# Altium PCB unextended_ISO.PcbDoc (part 2 of 2)
Units mm, origin at the board's own origin, x right, y up, seen from the top; angles counter-clockwise.
Board outline 284.7 x 94.2 mm, 2 copper layers (Component Side, Bottom Layer), stack 1.571 mm thick; 179 components, 118 nets, 505 pads, 269 vias.
Unrouted connection lines stored in the file: 6.
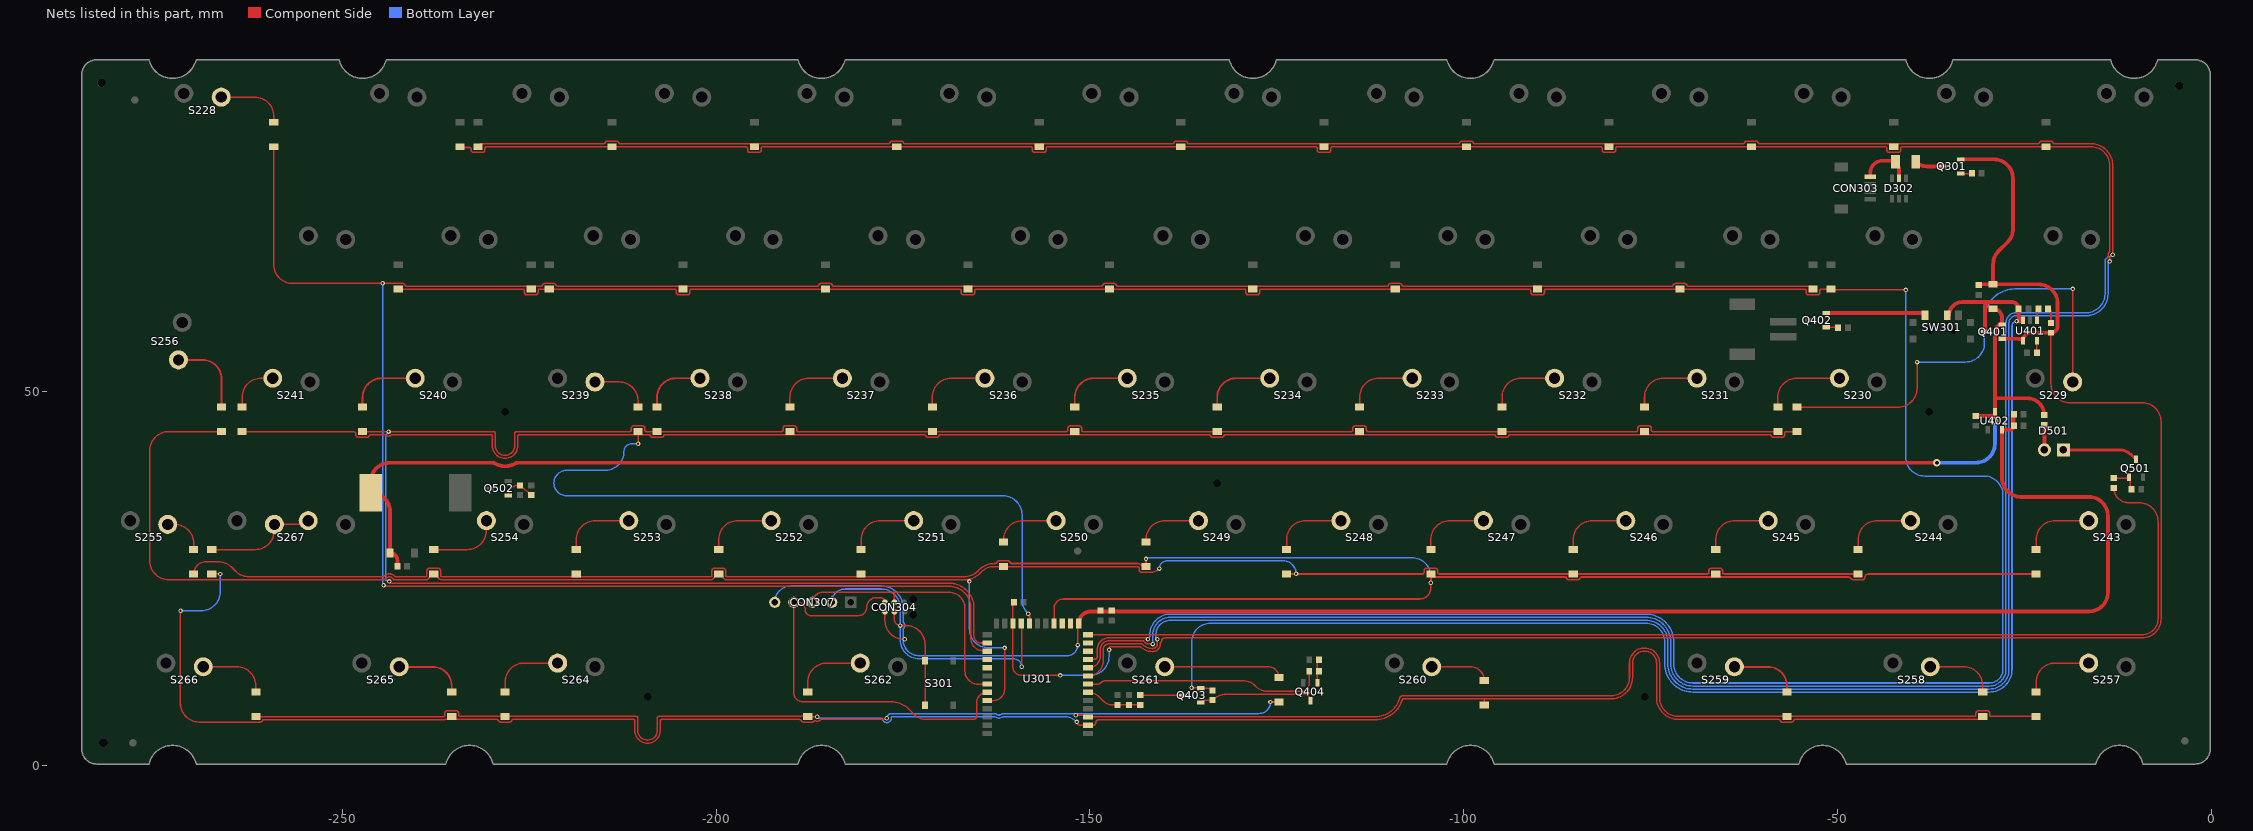
[diagram p2: the nets of this part, all layers, seen from the top]

## Via types
v1: diameter 0.6, hole 0.3, Component Side to Bottom Layer, tented both sides, 259 vias
v2: diameter 1, hole 0.5, Component Side to Bottom Layer, tented both sides, 10 vias

## Nets (pads, with @x,y where several pads share a name; then routed paths per layer and width w, separated by ;. In a path a pad name is that pad's centre, name@x,y a point inside that pad or via, vN(x,y) a via of type N, cw(c..) or ccw(c..) an arc to the next point about the centre after c; other vN are vias at no path point) (continued)
NetD228_1: D228.1 S228.2 | length 9.3
  Component Side w0.203: S228.2@-266.192,89.415 -261.707,89.415 cw(c-261.707,86.875) -259.167,86.875 D228.1@-259.167,86.05
NetD229_1: D229.1 S229.1 | length 61.2
  Component Side w0.203: D229.1@-55.447,47.95 -41.91,47.95 ccw(c-41.91,50.49) -39.37,50.49 v1(-39.37,53.975) ; S229.1@-18.556,51.315 -18.549,51.322 -18.549,63.747 v1(-18.542,63.754)
  Bottom Layer w0.203: v1(-39.37,53.975) -32.893,53.975 ccw(c-32.893,56.515) -30.353,56.515 -30.353,59.69 cw(c-26.289,59.69) -26.289,63.754 v1(-18.542,63.754)
NetD230_1: D230.1 S230.1 | length 11
  Component Side w0.203: D230.1@-57.987,47.95 -57.987,49.275 cw(c-55.447,49.275) -55.447,51.815 S230.1@-49.75,51.815
NetD231_1: D231.1 S231.1 | length 9.8
  Component Side w0.203: D231.1@-75.825,47.95 -75.825,49.275 cw(c-73.285,49.275) -73.285,51.815 S231.1@-68.8,51.815
NetD232_1: D232.1 S232.1 | length 9.8
  Component Side w0.203: D232.1@-94.875,47.95 -94.875,49.275 cw(c-92.335,49.275) -92.335,51.815 S232.1@-87.85,51.815
NetD233_1: D233.1 S233.1 | length 9.8
  Component Side w0.203: D233.1@-113.925,47.95 -113.925,49.275 cw(c-111.385,49.275) -111.385,51.815 S233.1@-106.9,51.815
NetD234_1: D234.1 S234.1 | length 9.8
  Component Side w0.254: D234.1@-132.975,47.95 -132.975,49.275 cw(c-130.435,49.275) -130.435,51.815 S234.1@-125.95,51.815
NetD235_1: D235.1 S235.1 | length 9.8
  Component Side w0.254: D235.1@-152.025,47.95 -152.025,49.275 cw(c-149.485,49.275) -149.485,51.815 S235.1@-145,51.815
NetD236_1: D236.1 S236.1 | length 9.8
  Component Side w0.203: D236.1@-171.075,47.95 -171.075,49.275 cw(c-168.535,49.275) -168.535,51.815 S236.1@-164.05,51.815
NetD237_1: D237.1 S237.1 | length 9.8
  Component Side w0.203: D237.1@-190.125,47.95 -190.125,49.275 cw(c-187.585,49.275) -187.585,51.815 S237.1@-183.1,51.815
NetD238_1: D238.1 S238.1 | length 8.5
  Component Side w0.254: D238.1@-207.899,47.95 -207.899,49.275 cw(c-205.359,49.275) -205.359,51.815 S238.1@-202.15,51.815
NetD239_1: D239.1 S239.1 | length 8
  Component Side w0.203: S239.1@-216.2,51.315 -212.979,51.315 cw(c-212.979,48.775) -210.439,48.775 D239.1@-210.439,47.95
NetD240_1: D240.1 S240.1 | length 9.8
  Component Side w0.254: D240.1@-247.275,47.95 -247.275,49.275 cw(c-244.735,49.275) -244.735,51.815 S240.1@-240.25,51.815
NetD241_1: D241.1 S241.1 | length 6.9
  Component Side w0.203: D241.1@-263.398,47.95 -263.398,49.275 cw(c-260.858,49.275) -260.858,51.815 S241.1@-259.3,51.815
NetD243_1: D243.1 S243.1 | length 9.8
  Component Side w0.203: D243.1@-23.437,28.9 -23.437,30.225 cw(c-20.897,30.225) -20.897,32.765 S243.1@-16.412,32.765
NetD244_1: D244.1 S244.1 | length 9.8
  Component Side w0.203: D244.1@-47.25,28.9 -47.25,30.225 cw(c-44.71,30.225) -44.71,32.765 S244.1@-40.225,32.765
NetD245_1: D245.1 S245.1 | length 9.8
  Component Side w0.203: D245.1@-66.3,28.9 -66.3,30.225 cw(c-63.76,30.225) -63.76,32.765 S245.1@-59.275,32.765
NetD246_1: D246.1 S246.1 | length 9.8
  Component Side w0.203: D246.1@-85.35,28.9 -85.35,30.225 cw(c-82.81,30.225) -82.81,32.765 S246.1@-78.325,32.765
NetD247_1: D247.1 S247.1 | length 9.8
  Component Side w0.203: D247.1@-104.4,28.9 -104.4,30.225 cw(c-101.86,30.225) -101.86,32.765 S247.1@-97.375,32.765
NetD248_1: D248.1 S248.1 | length 10
  Component Side w0.203: D248.1@-123.698,28.9 -123.698,30.225 cw(c-121.158,30.225) -121.158,32.765 S248.1@-116.425,32.765
NetD249_1: D249.1 S249.1 | length 8.8
  Component Side w0.203: D249.1@-142.5,29.9 -142.5,30.225 cw(c-139.96,30.225) -139.96,32.765 S249.1@-135.475,32.765
NetD250_1: D250.1 S250.1 | length 9.2
  Component Side w0.203: D250.1@-161.55,29.508 -161.55,30.225 cw(c-159.01,30.225) -159.01,32.765 S250.1@-154.525,32.765
NetD251_1: D251.1 S251.1 | length 9.8
  Component Side w0.203: D251.1@-180.6,28.9 -180.6,30.225 cw(c-178.06,30.225) -178.06,32.765 S251.1@-173.575,32.765
NetD252_1: D252.1 S252.1 | length 9.8
  Component Side w0.203: D252.1@-199.649,28.9 -199.649,30.225 cw(c-197.109,30.225) -197.109,32.765 S252.1@-192.624,32.765
NetD253_1: D253.1 S253.1 | length 9.8
  Component Side w0.203: D253.1@-218.7,28.9 -218.7,30.225 cw(c-216.16,30.225) -216.16,32.765 S253.1@-211.675,32.765
NetD254_1: D254.1 S254.1 | length 9.8
  Component Side w0.203: D254.1@-237.768,28.9 -233.265,28.9 ccw(c-233.265,31.44) -230.725,31.44 S254.1@-230.725,32.765
NetD255_1: D255.1 S255.1 | length 5.7
  Component Side w0.203: S255.1@-273.35,32.265 -272.415,32.265 cw(c-272.415,29.725) -269.875,29.725 D255.1@-269.875,28.9
NetD256_1: D256.1 S256.1 | length 11
  Component Side w0.254: S256.1@-271.91,54.272 -268.694,54.272 cw(c-268.694,51.732) -267.454,53.949 cw(c-268.694,51.732) -266.154,51.732 D256.1@-266.154,47.95
NetD257_1: D257.1 S257.1 | length 9.8
  Component Side w0.203: D257.1@-23.437,9.85 -23.437,11.175 cw(c-20.897,11.175) -20.897,13.715 S257.1@-16.412,13.715
NetD258_1: D258.1 S258.1 | length 9.3
  Component Side w0.203: S258.1@-37.6,13.215 -33.115,13.215 cw(c-33.115,10.675) -30.575,10.675 D258.1@-30.575,9.85
NetD259_1: D259.1 S259.1 | length 9.3
  Component Side w0.254: S259.1@-63.799,13.215 -59.314,13.215 cw(c-59.314,10.675) -56.774,10.675 D259.1@-56.774,9.85
NetD260_1: D260.1 S260.1 | length 8.1
  Component Side w0.203: S260.1@-104.28,13.215 -99.095,13.215 cw(c-99.095,11.375) D260.1@-97.255,11.375
NetD261_1: D261.1 S261.2 | length 16.1
  Component Side w0.203: S261.2@-139.999,13.215 -126.134,13.215 cw(c-126.134,11.795) D261.1@-124.714,11.795
NetD262_1: D262.1 S262.1 | length 9.8
  Component Side w0.203: D262.1@-187.743,9.85 -187.743,11.175 cw(c-185.203,11.175) -185.203,13.715 S262.1@-180.718,13.715
NetD264_1: D264.1 S264.2 | length 9.8
  Component Side w0.203: D264.1@-228.224,9.85 -228.224,11.175 cw(c-225.684,11.175) -225.684,13.715 S264.2@-221.199,13.715
NetD265_1: D265.1 S265.1 | length 9.3
  Component Side w0.254: S265.1@-242.388,13.215 -237.903,13.215 cw(c-237.903,10.675) -235.363,10.675 D265.1@-235.363,9.85
NetD266_1: D266.1 S266.1 | length 9.3
  Component Side w0.203: S266.1@-268.587,13.215 -264.102,13.215 cw(c-264.102,10.675) -261.562,10.675 D266.1@-261.562,9.85
NetD267_1: D267.1 S267.2 | length 15.5
  Component Side w0.203: D267.1@-267.462,28.9 -261.62,28.9 ccw(c-261.62,31.44) -259.08,31.44 S267.2@-259.08,32.265 -255.055,32.265 ccw(c-255.055,32.765) S267.2@-254.555,32.765
NetD401_2: D401.2 R401.2 | length 2.1
  Component Side w0.254: R401.2@-21.824,61.087 cw(c-21.824,60.721) -21.458,60.721 D401.2@-21.458,59.197
NetD501_1: D501.1 R501.1 | length 3.4
  Component Side w0.5: R501.1@-22.352,45.593 cw(c-22.352,45.567) -22.326,45.567 D501.1@-22.326,42.235
NetD501_2: D501.2 Q501.3 | length 10.1
  Component Side w0.4: D501.2@-19.786,42.235 -12.408,42.235 cw(c-12.408,39.695) -10.612,41.491 Q501.3@-10.093,40.972
NetF301_1: F301.1 Q301.3 | length 3.8
  Component Side w0.5: F301.1@-39.544,80.772 ccw(c-38.011,82.305) -38.011,80.137 Q301.3@-35.945,80.137
NetQ301_1: Q301.1 R301.1 | length 1.6
  Component Side w0.203: Q301.1@-33.545,79.187 -32.08,79.187 ccw(c-32.08,79.248) R301.1@-32.019,79.248
NetQ402_1: Q402.1 R403.1 | length 1.6
  Component Side w0.203: Q402.1@-51.487,58.635 -50.014,58.635 cw(c-50.014,58.547) R403.1@-49.926,58.547
NetQ402_2: Q402.2 SW301.1 | length 13.3
  Component Side w0.5: Q402.2@-51.487,60.535 -38.612,60.535 cw(c-38.612,60.241) SW301.1@-38.318,60.241
NetQ403_1: Q403.1 Q404.3 R407.2 | length 15.4
  Component Side w0.203: Q403.1@-135.198,8.448 cw(c-134.474,7.724) -134.474,8.748 R407.2@-133.604,8.748 -133.571,8.781 cw(c-131.775,6.985) -131.775,9.525 -121.342,9.525 cw(c-121.342,8.706) Q404.3@-120.523,8.706
NetQ403_3: Q403.3 R408.1 | length 5.7
  Component Side w0.203: R408.1@-143.256,9.413 ccw(c-143.22,9.449) -143.22,9.398 Q403.3@-137.598,9.398
NetQ404_1: Q404.1 R405.2 R406.1 | length 3.2
  Component Side w0.203: Q404.1@-119.573,11.106 -119.573,13.954 cw(c-119.365,13.954) R406.1@-119.365,14.162
NetQ501_1: Q501.1 R503.2 R504.1 | length 3.9
  Component Side w0.203: R503.2@-13.071,38.446 -12.748,38.466 -11.217,38.466 Q501.1@-11.043,38.572 -10.87,38.174 -10.87,37.28 R504.1@-10.683,36.957
  Component Side w0.4: R503.2@-13.071,38.446 cw(c-12.995,38.446) R503.2@-12.995,38.522
NetQ502_1: Q502.1 R506.1 R507.1 | length 4.4
  Component Side w0.203: Q502.1@-227.82,36.134 cw(c-226.474,36.134) -226.474,37.48 R506.1@-226.226,37.48 -225.902,37.182 -225.025,36.478 R507.1@-224.702,36.18
NetR401_1: R401.1 U401.1 | length 1.6
  Component Side w0.203: U401.1@-23.302,59.549 -23.302,60.909 cw(c-23.124,60.909) R401.1@-23.124,61.087
NetR402_1: R402.1 U401.5 | length 1.7
  Component Side w0.254: U401.5@-23.389,56.712 cw(c-23.302,56.712) U401.5@-23.302,56.799 ccw(c-23.302,56.748) -23.353,56.748 R402.1@-23.353,55.245
NetU301_11: U301.11
P0.02: R405.1 U301.7 | length 32.5
  Component Side w0.203: U301.7@-150.25,10.9 -149.006,10.9 ; -148.866,10.9 -149.006,10.9 ; R405.1@-120.665,12.638 -120.665,10.94 cw(c-121.677,10.94) -121.677,9.928 -126.529,9.928 cw(c-126.528,10.131) -126.569,9.932 cw(c-126.047,12.418) -127.842,10.621 -127.889,10.668 ccw(c-129.554,9.003) -129.554,11.358 -147.901,11.358 ccw(c-147.901,10.44) -148.55,11.089 cw(c-149.006,11.546) -149.006,10.9
P0.03: C405.2 R408.2 R409.1 U301.6 | length 7.5
  Component Side w0.203: U301.6@-150.25,9.8 cw(c-150.25,7.683) -148.753,9.18 -148.259,8.686 ccw(c-146.876,10.068) -146.876,8.113 C405.2@-144.78,8.113 R408.2@-143.256,8.113
P0.04: U301.12
P0.05: R503.1 U301.13 | length 165.8
  Component Side w0.203: U301.13@-150.25,17.5 -9.271,17.5 ccw(c-9.271,19.637) -8.38,17.695 ccw(c-9.271,19.637) -7.134,19.637 -7.134,32.639 ccw(c-9.674,32.639) -9.674,35.179 -11.104,35.179 cw(c-11.104,37.146) R503.1@-13.071,37.146
P0.07: U301.15
P0.12: D243.2 D245.2 D247.2 D249.2 D251.2 D253.2 D255.2 U301.17 | length 313.6
  Component Side w0.203: D255.2@-269.875,25.63 cw(c-268.24,25.63) -268.24,27.265 -266.569,27.265 cw(c-266.569,24.725) -264.773,26.521 -264.247,25.995 ccw(c-262.451,27.791) -262.451,25.251 -244.602,25.251 ccw(c-244.603,25.454) -244.454,25.317 cw(c-243.713,24.638) -244.437,25.335 cw(c-243.713,24.638) -242.989,25.334 cw(c-243.713,24.638) -242.972,25.316 ccw(c-242.823,25.454) -242.824,25.251 -238.883,25.251 ccw(c-238.883,25.454) -238.68,25.454 -238.68,26.085 cw(c-238.378,26.085) -238.378,26.387 -237.158,26.387 cw(c-237.158,26.085) -236.856,26.085 -236.856,25.458 ccw(c-236.653,25.459) -236.844,25.39 ccw(c-236.653,25.459) -236.68,25.258 ccw(c-236.579,26.035) -236.579,25.251 -231.084,25.251 -218.7,25.251 -200.764,25.251 ccw(c-200.764,25.454) -200.561,25.454 -200.561,26.085 cw(c-200.259,26.085) -200.259,26.387 -199.039,26.387 cw(c-199.039,26.085) -198.738,26.085 -198.738,25.461 ccw(c-198.534,25.461) -198.534,25.258 -166.802,25.258 ccw(c-166.802,27.798) -165.026,25.982 ; -165.357,25.709 ccw(c-166.802,27.798) -165.026,25.982 ; -165.007,26 ccw(c-164.604,25.547) -165.026,25.982 ; -165.007,26 ccw(c-165.143,26.151) -164.979,26.031 cw(c-164.487,25.676) -164.916,26.105 -164.849,26.172 cw(c-162.769,24.09) -162.769,27.033 -162.64,27.033 ccw(c-162.641,27.236) -162.447,27.175 cw(c-162.16,27.085) -162.16,27.387 -161.55,27.387 -160.94,27.387 cw(c-160.94,27.085) -160.937,27.387 cw(c-160.94,27.085) -160.658,27.192 ; -160.638,27.085 ccw(c-160.502,27.236) -160.503,27.033 -143.614,27.033 cw(c-143.614,26.427) -143.089,26.73 ccw(c-142.914,26.833) -143.069,26.701 -143.008,26.701 D249.2@-142.5,26.63 v1(-142.5,27.649) ; U301.17@-154.8,19 -154.8,21.002 cw(c-153.516,21.002) -153.516,22.285 -105.887,22.285 ccw(c-105.887,23.773) -104.4,23.773 v1(-104.4,24.461) -104.4,25.36 ccw(c-104.266,25.36) -104.266,25.227 -102.052,25.227 -100.076,25.227 -86.44,25.227 cw(c-86.441,25.024) -86.284,25.153 ; -86.261,25.227 ccw(c-86.082,25.13) -86.284,25.153 ; D243.2@-23.437,25.63 -45.871,25.63 ccw(c-45.871,25.146) -46.326,25.31 ccw(c-46.135,25.242) -46.338,25.243 -46.338,25.175 cw(c-46.64,25.175) -46.64,24.873 -47.86,24.873 cw(c-47.86,25.4) -48.312,25.129 ccw(c-48.486,25.024) -48.485,25.227 -84.259,25.227 ccw(c-84.258,25.024) -84.451,25.086 cw(c-84.74,25.175) -84.74,24.873 -85.96,24.873 ; -86.284,25.153 cw(c-86.441,25.024) -86.247,25.085 ccw(c-85.96,25.175) -85.96,24.873 ; -86.284,25.153 ccw(c-86.082,25.13) -86.227,24.987 -86.173,24.933 ccw(c-86.029,25.077) -86.029,24.873 -85.96,24.873
  Bottom Layer w0.203: v1(-142.5,27.649) cw(c-142.335,27.649) -142.335,27.813 -106.94,27.813 cw(c-106.94,25.273) -104.4,25.273 v1(-104.4,24.461)
P0.18/RESET: CON304.3 CON307.2 S301.2 U301.21 | length 55.2
  Component Side w0.203: CON304.3@-176.149,20.574 -176.149,19.508 ccw(c-175.381,19.508) v1(-175.381,18.74) -174.595,18.74 cw(c-174.595,16.2) -172.456,17.569 cw(c-174.595,16.2) -172.055,16.2 S301.2@-172.055,14.049 S301.2@-172.055,8.049 ; U301.21@-159.2,19 -159.131,18.931 v1(-159.131,13.208)
  Bottom Layer w0.203: CON307.2@-184.531,21.844 cw(c-182.753,21.844) -182.753,23.622 -177.927,23.622 cw(c-177.927,21.082) -175.387,21.082 -175.387,18.746 v1(-175.381,18.74) -175.387,18.734 -175.387,16.839 ccw(c-172.847,16.839) -172.847,14.299 -160.222,14.299 cw(c-160.222,13.208) v1(-159.131,13.208)
P0.19: D229.2 D231.2 D233.2 D235.2 D237.2 D239.2 D241.2 U301.20 | length 310.7
  Component Side w0.203: D241.2@-263.398,44.68 -248.769,44.68 cw(c-248.769,43.561) -248.305,44.579 cw(c-248.39,44.395) -248.187,44.396 -248.187,44.225 ccw(c-247.885,44.225) -247.885,43.923 -246.665,43.923 ccw(c-246.665,44.225) -246.377,44.136 cw(c-246.183,44.074) -246.184,44.277 -244.336,44.277 cw(c-244.337,44.074) -244.204,44.227 ccw(c-243.808,44.68) -243.412,44.227 cw(c-243.279,44.074) -243.28,44.277 -230.138,44.277 cw(c-230.138,44.074) -229.934,44.074 -229.934,42.815 ccw(c-228.225,42.815) -226.515,42.815 -226.515,44.074 cw(c-226.312,44.074) -226.312,44.277 D239.2@-210.439,44.277 ; v1(-210.439,43.053) D239.2@-210.439,44.277 ; D229.2@-55.447,44.68 -56.872,44.68 ccw(c-56.872,44.477) -57.075,44.477 -57.075,44.225 cw(c-57.377,44.225) -57.089,44.136 cw(c-57.377,44.225) -57.377,43.923 -58.597,43.923 cw(c-58.597,44.225) -58.885,44.135 ccw(c-59.079,44.074) -59.078,44.277 -93.784,44.277 ccw(c-93.783,44.074) -93.977,44.136 cw(c-94.265,44.225) -94.265,43.923 -95.485,43.923 cw(c-95.485,44.225) -95.773,44.135 ccw(c-95.966,44.074) -95.965,44.277 -131.884,44.277 ccw(c-131.883,44.074) -132.077,44.136 cw(c-132.365,44.225) -132.365,43.923 -133.585,43.923 cw(c-133.585,44.225) -133.873,44.135 ccw(c-134.066,44.074) -134.065,44.277 -169.984,44.277 ccw(c-169.983,44.074) -170.177,44.136 cw(c-170.465,44.225) -170.465,43.923 -171.685,43.923 cw(c-171.685,44.225) -171.973,44.135 ccw(c-172.166,44.074) -172.165,44.277 -206.808,44.277 ccw(c-206.807,44.074) -207.001,44.136 cw(c-207.289,44.225) -207.289,43.923 -208.509,43.923 cw(c-208.509,44.225) -208.797,44.135 ccw(c-208.99,44.074) -208.989,44.277 D239.2@-210.439,44.277
  Component Side w0.254: v1(-158.242,20.32) cw(c-158.242,20.178) -158.1,20.178 U301.20@-158.1,19
  Bottom Layer w0.203: v1(-210.439,43.053) -211.31,43.053 ccw(c-211.31,42.041) -212.322,42.041 cw(c-214.884,42.037) -213.084,40.213 cw(c-214.884,42.037) -214.482,39.507 cw(c-214.574,40.106) -214.57,39.5 -215.951,39.5 -219.975,39.5 ccw(c-219.975,37.79) -219.975,36.08 -161.621,36.08 cw(c-161.621,33.54) -159.081,33.54 -159.081,22.211 ccw(c-156.541,22.211) -158.337,20.415 v1(-158.242,20.32)
P0.22: D230.2 D232.2 D234.2 D236.2 D238.2 D240.2 U301.26 | length 306.2
  Component Side w0.203: D240.2@-247.275,44.68 v1(-243.808,44.68) -229.734,44.68 cw(c-229.734,44.477) -229.531,44.477 -229.531,42.815 ccw(c-228.225,42.815) -226.918,42.815 -226.918,44.477 cw(c-226.715,44.477) -226.715,44.68 -211.554,44.68 ccw(c-211.554,44.883) -211.35,44.883 -211.35,45.135 cw(c-211.049,45.135) -211.049,45.437 -209.829,45.437 cw(c-209.829,45.135) -209.527,45.135 -209.527,44.883 ccw(c-209.324,44.883) -209.324,44.68 D238.2@-207.899,44.68 -191.24,44.68 ccw(c-191.24,44.883) -191.036,44.883 -191.036,45.135 cw(c-190.735,45.135) -190.735,45.437 -189.515,45.437 cw(c-189.515,45.135) -189.213,45.135 -189.213,44.883 ccw(c-189.01,44.883) -189.01,44.68 D236.2@-171.075,44.68 -153.14,44.68 ccw(c-153.14,44.883) -152.936,44.883 -152.936,45.135 cw(c-152.635,45.135) -152.635,45.437 -151.415,45.437 cw(c-151.415,45.135) -151.113,45.135 -151.113,44.883 ccw(c-150.91,44.883) -150.91,44.68 D234.2@-132.975,44.68 -115.04,44.68 ccw(c-115.04,44.883) -114.836,44.883 -114.836,45.135 cw(c-114.535,45.135) -114.535,45.437 -113.315,45.437 cw(c-113.315,45.135) -113.013,45.135 -113.013,44.883 ccw(c-112.81,44.883) -112.81,44.68 D232.2@-94.875,44.68 -76.94,44.68 ccw(c-76.94,44.883) -76.736,44.883 -76.736,45.135 cw(c-76.435,45.135) -76.435,45.437 -75.215,45.437 cw(c-75.215,45.135) -74.913,45.135 -74.913,44.883 ccw(c-74.71,44.883) -74.71,44.68 D230.2@-57.987,44.68 ; v1@-243.586,24.406 -243.196,24.406 ccw(c-243.196,24.609) -243.184,24.407 -243.074,24.413 cw(c-243.062,24.21) -243.05,24.413 -242.94,24.407 ccw(c-242.928,24.609) -242.929,24.406 -240.159,24.406 ; -240.158,24.406 -187.849,24.406 cw(c-187.847,23.6) -187.847,24.406 -168.854,24.406 cw(c-168.854,21.06) -166.981,23.832 cw(c-168.854,21.06) -165.508,21.06 -165.508,17.36 ccw(c-164.548,17.36) -164.548,16.4 U301.26@-163.75,16.4
  Bottom Layer w0.203: v1(-243.808,44.68) ccw(c-242.865,43.737) -244.199,43.737 -244.199,24.928 ccw(c-243.996,24.929) -244.119,24.767 ccw(c-243.735,25.273) -243.735,24.638 v1(-243.713,24.638)
P0.28: D201.2 D203.2 D205.2 D207.2 D209.2 D211.2 D213.2 U301.8 | length 445.1
  Component Side w0.203: D213.2@-234.251,82.78 -233.743,82.676 -232.953,82.676 cw(c-232.953,82.473) -232.75,82.473 -232.75,82.325 ccw(c-232.448,82.325) -232.448,82.024 -231.228,82.024 ccw(c-231.228,82.325) -230.926,82.325 -230.926,82.577 cw(c-230.723,82.577) -230.723,82.78 -196.002,82.78 cw(c-196.002,82.577) -195.799,82.577 -195.799,82.325 ccw(c-195.497,82.325) -195.497,82.024 -194.277,82.024 ccw(c-194.277,82.325) -193.975,82.325 -193.975,82.577 cw(c-193.772,82.577) -193.772,82.78 -157.896,82.78 cw(c-157.896,82.577) -157.693,82.577 -157.693,82.325 ccw(c-157.391,82.325) -157.391,82.024 -156.171,82.024 ccw(c-156.171,82.325) -155.869,82.325 -155.869,82.577 cw(c-155.666,82.577) -155.666,82.78 -119.796,82.78 cw(c-119.796,82.577) -119.593,82.577 -119.593,82.325 ccw(c-119.291,82.325) -119.291,82.024 -118.071,82.024 ccw(c-118.071,82.325) -117.769,82.325 -117.769,82.577 cw(c-117.566,82.577) -117.566,82.78 -81.702,82.78 cw(c-81.702,82.577) -81.499,82.577 -81.499,82.325 ccw(c-81.197,82.325) -81.197,82.024 -79.977,82.024 ccw(c-79.977,82.325) -79.675,82.325 -79.675,82.577 cw(c-79.472,82.577) -79.472,82.78 -43.602,82.78 cw(c-43.602,82.577) -43.399,82.577 -43.399,82.325 ccw(c-43.097,82.325) -43.097,82.024 -41.877,82.024 ccw(c-41.877,82.325) -41.575,82.325 -41.575,82.577 cw(c-41.372,82.577) -41.372,82.78 D201.2@-22.098,82.78 ; U301.8@-150.25,12 ccw(c-150.25,14.024) -148.226,14.024 -148.226,15.509 cw(c-147.445,15.509) -147.545,16.284 cw(c-147.445,15.509) -147.445,16.29 -143.141,16.29 cw(c-143.142,16.087) -142.99,16.223 ccw(c-142.24,16.891) -142.812,16.065 ; -142.812,16.065 cw(c-142.927,15.897) -142.81,16.064 cw(c-142.927,15.897) -142.803,16.058 ccw(c-141.639,17.575) -141.639,15.663 -141.583,15.663 ccw(c-141.583,16.265) -140.981,16.278 cw(c-140.778,16.281) -140.981,16.28 -140.981,16.824 cw(c-140.778,16.824) v1(-140.97,16.891) ; D201.2@-22.098,82.78 -16.129,82.78 cw(c-16.129,80.24) -13.589,80.24 -13.589,68.879 cw(c-13.792,68.88) -13.644,68.74 ccw(c-13.208,68.326) -13.644,67.912 cw(c-13.792,67.772) -13.589,67.773 v1(-13.589,67.437)
  Bottom Layer w0.203: v1(-140.97,16.891) cw(c-140.97,17.101) -141.18,17.101 -141.18,17.5 cw(c-139.226,17.5) -141.152,17.829 cw(c-139.226,17.5) -139.226,19.453 -75.648,19.453 cw(c-75.648,16.51) -74.567,19.248 cw(c-75.648,16.51) -72.704,16.513 cw(c-75.648,16.51) -72.704,16.51 -72.704,14.764 -72.704,13.589 ccw(c-69.358,13.589) -72.704,13.585 ccw(c-69.358,13.589) -72.315,12.022 ccw(c-69.358,13.589) -71.567,11.075 ccw(c-69.358,13.589) -71.169,10.775 ccw(c-69.358,13.589) -69.358,10.243 -29.704,10.243 ccw(c-29.704,12.873) -27.073,12.873 -27.073,51.943 -27.073,55.138 -27.073,59.18 cw(c-26.052,59.181) -26.952,59.663 cw(c-26.052,59.181) -26.149,60.197 cw(c-26.131,59.995) -26.132,60.198 -16.407,60.198 ccw(c-16.407,60.746) -16.257,60.219 cw(c-16.202,60.023) -16.239,60.223 ccw(c-16.764,63.119) -14.991,60.77 ccw(c-16.764,63.119) -13.821,63.119 -13.821,67.205 cw(c-13.589,67.205) v1(-13.589,67.437)
P1.00: D216.2 D218.2 D220.2 D222.2 D224.2 D226.2 D228.2 U301.27 | length 352.2
  Component Side w0.203: D228.2@-259.167,82.78 -259.167,67.027 ccw(c-256.627,67.027) -256.627,64.487 -241.902,64.487 cw(c-241.902,64.185) -241.614,64.275 ccw(c-241.421,64.336) -241.422,64.133 -223.41,64.133 ccw(c-223.411,64.336) -223.217,64.275 cw(c-222.929,64.185) -222.929,64.487 -221.709,64.487 cw(c-221.709,64.185) -221.434,64.309 cw(c-221.709,64.185) -221.421,64.274 ccw(c-221.228,64.336) -221.229,64.133 -209.595,64.133 cw(c-209.568,63.932) -209.569,64.135 -189.357,64.135 -189.357,64.133 -186.459,64.133 ccw(c-186.46,64.336) -186.266,64.275 cw(c-185.978,64.185) -185.978,64.487 -184.758,64.487 cw(c-184.758,64.185) -184.47,64.274 ccw(c-184.277,64.336) -184.278,64.133 -148.48,64.133 ccw(c-148.481,64.336) -148.287,64.275 cw(c-147.999,64.185) -147.999,64.487 -146.779,64.487 cw(c-146.779,64.185) -146.491,64.274 ccw(c-146.298,64.336) -146.299,64.133 -110.259,64.133 ccw(c-110.26,64.336) -110.066,64.275 cw(c-109.778,64.185) -109.778,64.487 -108.558,64.487 cw(c-108.558,64.185) -108.27,64.274 ccw(c-108.077,64.336) -108.078,64.133 -72.153,64.133 ccw(c-72.154,64.336) -71.96,64.275 cw(c-71.672,64.185) -71.672,64.487 -70.452,64.487 cw(c-70.452,64.185) -70.164,64.274 ccw(c-69.971,64.336) -69.972,64.133 -53.685,64.133 cw(c-53.685,63.73) D216.2@-53.282,63.73 ; v1@-244.348,24.003 -238.749,24.003 cw(c-238.747,23.6) -238.747,24.003 -187.848,24.003 ; -187.847,24.003 -168.854,24.003 cw(c-168.854,21.06) -167.518,23.682 cw(c-168.854,21.06) -165.911,21.06 -165.911,16.982 ; -165.911,16.98 ccw(c-164.298,16.982) -164.983,15.522 ccw(c-164.298,16.982) -164.302,15.369 ccw(c-164.298,16.982) U301.27@-164.298,15.369
  Bottom Layer w0.203: v1@-244.602,64.487 -244.602,24.257 ccw(c-244.475,24.257) v1(-244.475,24.13)
  other v1: -244.619,64.505
P1.01: U301.29
P1.03: U301.28
P1.04: D244.2 D246.2 D248.2 D250.2 D252.2 D254.2 D256.2 U301.33 | length 284.8
  Component Side w0.203: D256.2@-266.154,44.68 -273.204,44.68 ccw(c-273.204,42.14) -275.744,42.14 -275.744,27.388 ccw(c-273.204,27.388) -273.204,24.848 -244.403,24.848 ccw(c-244.404,25.051) -244.23,24.946 cw(c-243.713,24.638) -243.196,24.946 ccw(c-243.022,25.051) -243.023,24.848 -238.883,24.848 ccw(c-238.883,25.454) -238.363,25.141 cw(c-238.189,25.037) -238.295,25.21 ccw(c-239.602,27.388) -238.19,25.277 -237.806,25.592 D254.2@-237.768,25.63 -237.73,25.592 -237.345,25.277 ccw(c-235.934,27.388) -237.237,25.208 cw(c-237.342,25.034) -237.17,25.141 ccw(c-236.653,25.459) -236.728,24.857 ccw(c-236.579,26.035) -236.579,24.848 -202.364,24.848 -200.764,24.848 ccw(c-200.764,25.454) -200.762,24.848 ccw(c-200.764,25.454) -200.158,25.454 D252.2@-199.649,25.63 -199.141,25.461 ccw(c-198.534,25.461) -198.534,24.855 -196.716,24.855 cw(c-196.716,24.652) -196.663,24.848 -168.529,24.848 -168.526,24.849 cw(c-168.476,24.652) -168.475,24.855 -166.802,24.855 ccw(c-166.802,27.798) -164.892,25.559 ccw(c-166.802,27.798) -164.745,25.693 cw(c-164.604,25.547) -164.732,25.704 ccw(c-164.991,26.013) -164.656,25.79 cw(c-164.487,25.676) -164.631,25.819 -164.565,25.886 cw(c-162.769,24.09) -162.769,26.63 D250.2@-161.55,26.63 -143.614,26.63 cw(c-143.614,26.427) -143.411,26.427 -143.411,26.175 ccw(c-143.11,26.175) -143.11,25.873 -141.83,25.873 ccw(c-141.83,27.436) v1@-140.725,26.331 ; U301.33@-163.75,8.7 -162.926,8.7 ccw(c-162.926,10.209) -161.417,10.209 v1(-161.417,15.748) ; D248.2@-123.698,25.63 v1@-122.452,25.63 ; v1(-122.428,25.654) v1@-122.452,25.63 ; D244.2@-47.25,25.63 -65.185,25.63 cw(c-65.185,25.833) -65.388,25.833 -65.388,26.085 ccw(c-65.69,26.085) -65.69,26.387 -66.91,26.387 ccw(c-66.91,26.085) -67.211,26.085 -67.211,25.833 cw(c-67.414,25.833) -67.414,25.63 D246.2@-85.35,25.63 -103.285,25.63 cw(c-103.285,25.833) -103.488,25.833 -103.488,26.085 ccw(c-103.79,26.085) -103.524,26.228 ccw(c-103.79,26.085) -103.79,26.387 -105.01,26.387 ccw(c-105.01,26.085) -105.311,26.101 ccw(c-105.01,26.085) -105.311,26.085 -105.311,25.833 cw(c-105.514,25.833) -105.514,25.63 v1@-122.452,25.63
  Bottom Layer w0.203: v1(-166.116,24.638) -166.116,18.288 ccw(c-163.576,18.288) -163.576,15.748 v1(-161.417,15.748) ; v1@-140.725,26.331 cw(c-139.646,26.331) -139.646,27.41 -124.184,27.41 cw(c-124.184,25.654) v1(-122.428,25.654)
  other v1: -140.742,26.35
P1.09: U301.16
P1.10: D257.2 D259.2 D261.2 D265.2 D267.2 U301.3 | length 320.6
  Component Side w0.203: v1@-271.653,20.701 -271.653,8.363 ccw(c-269.113,8.363) -269.113,5.823 -260.952,5.823 ccw(c-260.952,6.125) -260.671,6.016 cw(c-260.482,5.941) -260.483,6.144 -236.478,6.144 ccw(c-236.478,6.75) -236.307,6.169 cw(c-236.25,5.974) -236.251,6.177 -229.315,6.177 cw(c-229.316,5.974) -229.122,6.035 ccw(c-228.834,6.125) -228.834,5.823 -227.614,5.823 ccw(c-227.614,6.125) -227.326,6.036 cw(c-227.132,5.974) -227.133,6.177 -211.082,6.177 cw(c-211.082,5.974) -210.879,5.974 -210.879,4.715 ccw(c-209.169,4.715) -207.459,4.715 -207.459,5.974 cw(c-207.256,5.974) -207.256,6.177 -188.834,6.177 cw(c-188.835,5.974) -188.641,6.035 ccw(c-188.353,6.125) -188.353,5.823 -187.133,5.823 ccw(c-187.133,6.125) -186.905,5.927 cw(c-186.752,5.793) -186.682,5.984 ccw(c-186.473,6.548) -186.018,6.154 cw(c-185.866,6.02) -185.867,6.223 -177.292,6.223 ccw(c-177.292,6.35) v1(-177.165,6.35) ; D267.2@-267.589,25.654 -266.343,25.654 cw(c-266.343,25.63) v1(-266.319,25.63) ; v1(-151.892,6.731) -150.406,6.731 cw(c-150.406,6.537) -150.213,6.537 -111.82,6.537 ccw(c-111.82,9.884) -110.205,6.953 ccw(c-111.82,9.884) -109.322,7.657 ccw(c-111.82,9.884) -108.645,8.825 ccw(c-111.82,9.884) -108.576,9.062 cw(c-108.379,9.012) -108.576,9.063 cw(c-108.379,9.012) -108.54,9.136 cw(c-108.134,8.825) -108.134,9.337 -80.305,9.337 ccw(c-80.305,11.811) -77.83,11.811 -77.83,13.715 cw(c-75.819,13.715) -77.796,14.084 cw(c-75.819,13.715) -77.795,14.088 cw(c-75.819,13.715) -77.734,14.329 -77.733,14.332 ccw(c-77.926,14.396) -77.733,14.333 cw(c-75.819,13.715) -73.935,14.419 ccw(c-73.733,14.438) -73.925,14.372 cw(c-75.819,13.715) -73.814,13.715 -73.814,12.617 -73.814,9.12 ccw(c-71.274,9.12) -72.136,6.731 ccw(c-71.274,9.12) -71.274,6.58 D259.2@-56.774,6.58 -31.69,6.58 ccw(c-31.69,6.783) -31.487,6.783 -31.487,7.035 cw(c-31.185,7.035) -31.185,7.337 -29.965,7.337 cw(c-29.965,7.035) -29.663,7.035 -29.663,6.76 ccw(c-29.46,6.761) -29.552,6.58 D257.2@-23.437,6.58 ; v1(-125.857,8.509) -124.73,8.509 D261.2@-124.714,8.525
  Bottom Layer w0.203: v1(-271.629,20.725) -268.859,20.725 ccw(c-268.859,23.265) -266.319,23.265 v1(-266.319,25.63) ; v1(-177.165,6.35) cw(c-176.552,6.35) -176.552,6.963 -171.439,6.963 -162.708,6.963 cw(c-162.708,6.76) -162.575,6.913 ccw(c-162.179,7.366) -162.179,6.764 ccw(c-162.179,7.366) -161.783,6.913 cw(c-161.65,6.76) -161.773,6.921 cw(c-161.65,6.76) -161.651,6.963 cw(c-161.65,6.76) -161.649,6.963 -127.403,6.963 ccw(c-127.403,8.509) v1(-125.857,8.509)
P1.11: D258.2 D260.2 D262.2 D264.2 D266.2 U301.2 | length 253.2
  Component Side w0.203: D266.2@-261.562,6.58 -261.054,6.547 -236.478,6.547 ccw(c-236.478,6.75) -236.275,6.75 -236.275,7.035 cw(c-235.973,7.035) -235.973,7.337 -234.753,7.337 cw(c-234.753,7.035) -234.451,7.035 -234.451,6.783 ccw(c-234.248,6.783) -234.248,6.58 D264.2@-228.224,6.58 -210.679,6.58 cw(c-210.679,6.377) -210.475,6.377 -210.475,4.715 ccw(c-209.169,4.715) -207.863,4.715 -207.863,6.377 cw(c-207.659,6.377) -207.659,6.58 D262.2@-187.743,6.58 ccw(c-187.711,6.58) -187.711,6.548 v1(-186.473,6.548) ; v1(-151.765,5.842) ccw(c-151.323,5.842) -151.323,5.4 U301.2@-150.25,5.4 -149.54,5.4 ccw(c-149.54,5.715) -149.225,5.715 cw(c-148.806,5.715) -148.806,6.134 -111.82,6.134 ccw(c-111.82,9.884) -109.778,6.739 ccw(c-111.82,9.884) -108.499,8.143 ccw(c-111.82,9.884) -108.234,8.789 cw(c-108.039,8.73) -108.041,8.933 cw(c-108.034,8.255) -108.034,8.933 -97.255,8.933 ; D260.2@-97.255,8.105 -97.255,8.933 ; D258.2@-30.575,6.58 cw(c-30.978,6.58) -30.978,6.177 -55.683,6.177 ccw(c-55.682,5.974) -55.876,6.036 cw(c-56.164,6.125) -56.164,5.823 -57.384,5.823 cw(c-57.384,6.125) -57.672,6.035 ccw(c-57.866,5.974) -57.865,6.177 -71.274,6.177 cw(c-71.274,9.12) -74.217,9.12 -74.217,11.557 -74.217,13.335 -74.217,13.715 ccw(c-75.819,13.715) -74.669,14.83 cw(c-74.522,14.97) -74.675,14.836 ccw(c-76.04,13.629) -74.751,14.917 ccw(c-75.819,13.715) -77.35,14.207 ccw(c-75.819,13.715) -77.427,13.715 -77.427,11.811 cw(c-80.305,11.811) -77.573,10.907 cw(c-80.305,11.811) -78.003,10.084 cw(c-80.305,11.811) -78.773,9.375 cw(c-80.305,11.811) -79.855,8.969 cw(c-80.305,11.811) -80.305,8.933 -97.255,8.933
  Bottom Layer w0.203: v1(-186.473,6.548) -186.347,6.422 ccw(c-186.204,6.566) -186.204,6.363 -177.946,6.363 cw(c-177.947,6.16) -177.75,6.208 ccw(c-177.165,6.35) -176.563,6.356 cw(c-176.36,6.356) -176.361,6.56 -173.953,6.56 -162.843,6.56 cw(c-162.842,6.356) -162.731,6.526 ccw(c-162.179,7.366) -161.627,6.526 cw(c-161.516,6.356) -161.515,6.56 -153.497,6.56 cw(c-153.497,4.11) v1(-151.765,5.842)
RAW: CON303.1 D302.5 F301.2 | length 7.3
  Component Side w0.5: CON303.1@-45.625,78.75 -45.625,79.296 cw(c-44.022,79.296) -44.022,80.899 -42.551,80.899 cw(c-42.551,80.465) F301.2@-42.244,80.772 cw(c-43.357,79.659) -42.105,80.612 cw(c-43.357,79.659) F301.2@-42.097,80.602 ; F301.2@-42.035,80.664 F301.2@-42.097,80.602 ; D302.5@-41.783,78.591 -41.783,79.659 ccw(c-43.357,79.659) -42.071,80.567 ccw(c-43.357,79.659) F301.2@-42.097,80.602
row2: D202.2 D204.2 D206.2 D208.2 D210.2 D212.2 U301.9 | length 437.7
  Component Side w0.203: D212.2@-231.838,82.78 cw(c-231.435,82.78) -231.435,83.183 -215.028,83.183 ccw(c-215.029,83.386) -214.835,83.325 cw(c-214.547,83.235) -214.547,83.537 -213.327,83.537 cw(c-213.327,83.235) -213.039,83.325 ccw(c-212.845,83.386) -212.846,83.183 -176.922,83.183 ccw(c-176.923,83.386) -176.729,83.325 cw(c-176.441,83.235) -176.441,83.537 -175.221,83.537 cw(c-175.221,83.235) -174.933,83.325 ccw(c-174.739,83.386) -174.74,83.183 -138.949,83.183 ccw(c-138.95,83.386) -138.756,83.325 cw(c-138.468,83.235) -138.468,83.537 -137.248,83.537 cw(c-137.248,83.235) -136.96,83.325 ccw(c-136.766,83.386) -136.767,83.183 -100.722,83.183 ccw(c-100.723,83.386) -100.529,83.325 cw(c-100.241,83.235) -100.241,83.537 -99.021,83.537 cw(c-99.021,83.235) -98.733,83.325 ccw(c-98.539,83.386) -98.54,83.183 -62.628,83.183 ccw(c-62.629,83.386) -62.435,83.325 cw(c-62.147,83.235) -62.147,83.537 -60.927,83.537 cw(c-60.927,83.235) -60.639,83.325 ccw(c-60.445,83.386) -60.446,83.183 -23.189,83.183 ccw(c-23.19,83.386) -22.996,83.325 cw(c-22.708,83.235) -22.708,83.537 -21.488,83.537 cw(c-21.488,83.235) -21.199,83.323 ; U301.9@-150.25,13.1 -150.11,13.1 ccw(c-150.11,14.58) -148.629,14.58 -148.629,15.509 cw(c-147.445,15.509) -147.445,16.694 -142.937,16.694 cw(c-142.938,16.49) -142.925,16.693 cw(c-142.938,16.49) -142.762,16.592 ccw(c-142.24,16.891) -142.389,16.308 ccw(c-142.329,16.502) -142.365,16.302 -142.347,16.299 ccw(c-142.24,16.891) -142.138,16.298 ; -142.136,16.298 cw(c-142.103,16.098) -142.104,16.301 v1@-141.699,16.301 ; -21.209,83.35 cw(c-21.488,83.235) -21.199,83.323 ; v1(-13.208,68.326) cw(c-13.084,68.487) -13.262,68.585 ccw(c-13.792,68.88) -13.186,68.879 -13.186,80.24 ccw(c-16.129,80.24) -13.46,81.48 ccw(c-16.129,80.24) -15.482,83.112 ccw(c-16.129,80.24) -16.129,83.184 -21.043,83.184 cw(c-21.005,83.383) -21.199,83.323
  Bottom Layer w0.203: v1(-141.583,16.265) -141.583,17.675 cw(c-141.351,17.675) -141.573,17.74 ccw(c-141.769,17.796) -141.567,17.772 cw(c-139.226,17.5) -140.858,19.2 cw(c-139.226,17.5) -139.226,19.856 -75.648,19.856 cw(c-75.648,16.51) -73.873,19.347 cw(c-75.648,16.51) -72.503,17.656 ccw(c-72.313,17.727) -72.5,17.647 -72.494,17.63 -72.489,17.615 cw(c-75.648,16.51) -72.301,16.514 cw(c-75.648,16.51) -72.301,16.51 -72.301,14.541 -72.301,13.589 ccw(c-69.358,13.589) -72.301,13.587 ccw(c-69.358,13.589) -71.959,12.211 ccw(c-69.358,13.589) -70.715,10.977 ccw(c-69.358,13.589) -69.358,10.646 -29.704,10.646 ccw(c-29.704,12.873) -27.476,12.873 -27.476,59.18 ; -27.476,59.181 cw(c-26.052,59.181) -25.953,60.602 ccw(c-25.941,60.804) -25.943,60.601 -16.442,60.601 ccw(c-16.443,60.804) -16.416,60.603 ccw(c-16.764,63.119) -14.224,63.119 -14.224,67.653 -13.838,68.039 -13.603,68.039 -13.315,68.326 v1(-13.208,68.326)
row3: D215.2 D217.2 D219.2 D221.2 D223.2 D225.2 D227.2 U301.10 | length 403.8
  Component Side w0.203: D227.2@-242.512,63.73 -225.847,63.73 cw(c-225.847,63.527) -225.644,63.527 -225.644,63.275 ccw(c-225.342,63.275) -225.342,62.973 -224.122,62.973 ccw(c-224.122,63.275) -223.821,63.275 -223.821,63.527 cw(c-223.617,63.527) -223.617,63.73 D225.2@-222.319,63.73 -205.527,63.73 cw(c-205.527,63.527) -205.324,63.527 -205.324,63.275 ccw(c-205.022,63.275) -205.022,62.973 -203.802,62.973 ccw(c-203.802,63.275) -203.501,63.275 -203.501,63.527 cw(c-203.297,63.527) -203.297,63.73 D223.2@-185.368,63.73 -167.433,63.73 cw(c-167.433,63.527) -167.23,63.527 -167.23,63.275 ccw(c-166.928,63.275) -166.928,62.973 -165.708,62.973 ccw(c-165.708,63.275) -165.407,63.275 -165.407,63.527 cw(c-165.203,63.527) -165.203,63.73 D221.2@-147.389,63.73 -129.333,63.73 cw(c-129.333,63.527) -129.13,63.527 -129.13,63.275 ccw(c-128.828,63.275) -128.828,62.973 -127.608,62.973 ccw(c-127.608,63.275) -127.307,63.275 -127.307,63.527 cw(c-127.103,63.527) -127.103,63.73 D219.2@-109.168,63.73 -91.227,63.73 cw(c-91.227,63.527) -91.024,63.527 -91.024,63.275 ccw(c-90.722,63.275) -90.722,62.973 -89.502,62.973 ccw(c-89.502,63.275) -89.201,63.275 -89.201,63.527 cw(c-88.997,63.527) -88.997,63.73 D217.2@-71.062,63.73 -54.397,63.73 cw(c-54.397,63.527) -54.194,63.527 -54.194,63.275 ccw(c-53.892,63.275) -53.892,62.973 -52.672,62.973 ccw(c-52.672,63.275) -52.371,63.275 -52.371,63.527 cw(c-52.167,63.527) -52.167,63.73 D215.2@-50.869,63.73 -50.766,63.627 v1(-40.894,63.627) ; U301.10@-150.25,14.2 -149.413,14.2 ccw(c-149.413,14.58) -149.032,14.58 -149.032,15.509 cw(c-147.445,15.509) -147.445,17.097 -142.446,17.097 cw(c-142.446,16.891) v1(-142.24,16.891)
  Bottom Layer w0.203: v1(-142.24,16.891) ccw(c-142.853,17.504) -141.986,17.504 -141.986,17.675 cw(c-141.351,17.675) -141.968,17.825 ccw(c-142.166,17.872) -141.964,17.846 cw(c-139.226,17.5) -140.653,19.863 cw(c-139.226,17.5) -139.226,20.26 -75.648,20.26 cw(c-75.648,16.51) -74.272,19.998 cw(c-75.648,16.51) -72.127,17.802 ccw(c-71.937,17.873) -72.126,17.798 cw(c-72.5,17.647) -72.118,17.776 -72.113,17.761 ; -72.113,17.761 -72.109,17.749 cw(c-75.648,16.51) -71.898,16.516 cw(c-75.648,16.51) -71.898,16.51 -71.898,14.635 -71.898,13.589 ccw(c-69.358,13.589) -69.358,11.049 -29.704,11.049 ccw(c-29.704,12.873) -27.88,12.873 -27.88,36.195 ccw(c-30.42,36.195) -30.42,38.735 -38.354,38.735 cw(c-38.354,41.275) -40.894,41.275 v1(-40.894,63.627)
SWDCLK: CON304.4 CON307.3 U301.31 | length 36.1
  Component Side w0.203: CON307.3@-187.071,21.844 cw(c-185.718,21.844) -185.718,23.197 -176.149,23.197 ; CON304.4@-176.149,21.844 -176.149,23.197 ; U301.31@-163.75,10.9 -164.973,10.9 cw(c-164.973,12.645) -166.718,12.645 -166.718,21.06 ccw(c-168.854,21.06) -167.076,22.244 ccw(c-168.854,21.06) -168.854,23.197 -176.149,23.197
SWDIO: CON304.2 CON307.4 U301.32 | length 57.2
  Component Side w0.203: CON304.2@-177.419,21.844 ccw(c-178.054,21.844) -178.054,22.479 -178.547,22.479 ccw(c-178.547,21.194) -179.832,21.194 cw(c-180.96,21.194) -180.96,20.066 -187.325,20.066 cw(c-187.325,20.828) -188.087,20.828 ccw(c-189.103,20.828) -189.103,21.844 CON307.4@-189.611,21.844 -189.611,9.758 ccw(c-188.384,9.758) -188.384,8.531 -176.566,8.531 cw(c-176.566,5.185) -174.451,7.778 cw(c-176.566,5.185) -174.2,7.551 -173.394,6.745 ccw(c-171.882,8.255) -173.232,6.599 ccw(c-173.105,6.757) -173.152,6.56 -173.089,6.496 ccw(c-172.946,6.641) -173.055,6.47 ccw(c-172.137,7.94) -172.137,6.206 -169.861,6.206 -165.519,6.206 ccw(c-165.519,6.56) -165.166,6.56 -165.166,6.587 cw(c-163.75,6.587) -165.165,6.651 ccw(c-165.368,6.659) -165.164,6.658 -165.164,8.386 cw(c-163.75,8.386) -164.298,9.689 U301.32@-163.75,9.8
VBAT: C406.2 Q401.3 Q403.2 R407.1 SW301.2 U401.3 | length 193.5
  Component Side w0.203: v1(-136.398,10.414) -135.264,10.414 cw(c-135.264,10.348) Q403.2@-135.198,10.348 -134.328,10.348 cw(c-134.328,9.324) R407.1@-133.604,10.048
  Component Side w0.5: SW301.2@-35.088,60.241 cw(c-33.321,60.241) -33.321,62.008 -29.815,62.008 ; Q401.3@-30.288,57.922 ccw(c-30.405,57.922) Q401.3@-30.405,58.039 ccw(c-30.405,58.179) -30.377,58.042 ccw(c-30.405,58.179) -30.265,58.179 -30.265,61.558 cw(c-29.815,61.558) -29.815,62.008 ; v1(-26.052,59.433) -25.318,59.433 ccw(c-25.318,59.549) U401.3@-25.202,59.549 cw(c-25.202,60.138) -25.791,60.138 C406.2@-25.791,61.087 ccw(c-26.712,61.087) -26.712,62.008 -29.815,62.008
  Bottom Layer w0.203: v1(-136.398,10.414) -136.398,16.51 cw(c-133.858,16.51) -133.858,19.05 -75.648,19.05 cw(c-75.648,16.51) -73.108,16.51 -73.108,14.775 -73.108,13.589 ccw(c-69.358,13.589) -73.108,13.584 ccw(c-69.358,13.589) -72.473,11.502 ccw(c-69.358,13.589) -70.735,10.102 ccw(c-69.358,13.589) -69.358,9.839 -29.704,9.839 ccw(c-29.704,12.873) -26.67,12.873 -26.67,58.815 cw(c-26.052,58.815) v1(-26.052,59.433)
VBUS: C303.2 D401.1 D402.1 Q301.2 Q401.1 R404.1 U301.22 U401.4 | length 266.4
  Component Side w0.203: C303.2@-160.162,21.844 ccw(c-160.162,21.706) -160.3,21.706 U301.22@-160.3,19 -160.3,13.208 ccw(c-159.157,13.208) -159.157,12.065 v1(-153.977,12.065) ; v1(-147.445,15.509) -147.445,15.684 cw(c-147.242,15.684) -147.242,15.887 -143.306,15.887 cw(c-143.307,15.684) -143.173,15.837 ccw(c-142.24,16.891) -143.047,15.737 ; -143.047,15.737 cw(c-143.164,15.571) -143.041,15.733 ccw(c-141.639,17.575) -142.644,15.49 ccw(c-141.639,17.575) -141.639,15.26 -141.583,15.26 ; -141.112,15.377 cw(c-141.583,16.265) -141.583,15.26 ; D401.1@-21.458,57.897 -21.463,57.897 -21.463,51.082 ccw(c-18.923,51.082) -18.923,48.542 -9.271,48.542 cw(c-9.271,46.002) -6.731,46.002 -6.731,19.637 cw(c-9.271,19.637) -9.271,17.097 -139.875,17.097 ccw(c-139.875,16.383) -140.289,16.965 ccw(c-140.17,16.8) -140.372,16.824 cw(c-140.97,16.891) -140.526,16.485 ccw(c-140.375,16.349) -140.578,16.35 -140.578,16.283 cw(c-141.583,16.265) -140.831,15.598 cw(c-141.583,16.265) -141.583,15.26
  Component Side w0.5: Q301.2@-33.545,81.087 -29.083,81.087 cw(c-29.083,78.547) -26.543,78.547 -26.543,71.791 ; R404.1@-30.76,64.373 D402.1@-29.205,64.373 ; Q401.1@-28.005,57.089 -25.902,57.089 cw(c-25.902,56.099) U401.4@-25.202,56.799 cw(c-24.104,56.799) -24.104,57.897 D401.1@-21.463,57.897 ; -26.538,71.791 cw(c-29.078,71.791) -27.282,69.995 -28.461,68.816 ccw(c-26.665,67.02) -29.205,67.02 D402.1@-29.205,64.373 ; D401.1@-21.458,57.897 ccw(c-21.458,58.786) -20.569,58.786 -20.569,61.833 ccw(c-23.109,61.833) -23.109,64.373 D402.1@-29.205,64.373
  Bottom Layer w0.203: v1(-153.977,12.065) -149.985,12.065 ccw(c-149.985,14.605) -147.445,14.605 v1(-147.445,15.509)
VCC3V3: C301.2 C302.2 C403.2 C404.2 CON304.1 CON307.5 U301.14 U402.2 | length 235.8
  Component Side w0.203: CON304.1@-177.419,20.574 -177.419,19.431 ccw(c-174.879,19.431) -174.879,16.891 v1(-174.752,16.891) ; v1(-151.638,16.129) U301.14@-151.638,18.862
  Component Side w0.5: C404.2@-26.423,46.99 -26.431,46.99 C403.2@-26.431,45.466 cw(c-26.988,45.466) -26.988,44.909 U402.2@-28.006,44.909 -28.006,38.481 ccw(c-25.466,38.481) -25.466,35.941 -16.383,35.941 cw(c-16.383,33.401) -13.843,33.401 -13.843,23.159 cw(c-16.383,23.159) -16.383,20.619 -24.146,20.619
  Component Side w0.508: U301.14@-151.5,19 cw(c-149.881,19) -149.881,20.619 -24.146,20.619
  Bottom Layer w0.203: CON307.5@-192.151,21.844 cw(c-189.97,21.844) -189.97,24.025 -177.927,24.025 cw(c-177.927,21.082) -177.246,23.945 ; -177.245,23.945 cw(c-177.927,21.082) -174.984,21.082 -174.984,19.275 ccw(c-174.781,19.276) -174.933,19.142 cw(c-175.381,18.74) -174.933,18.339 ccw(c-174.781,18.204) -174.984,18.205 -174.984,17.123 ccw(c-174.752,17.123) v1(-174.752,16.891) ccw(c-174.752,16.419) -174.793,16.889 ccw(c-174.775,16.687) -174.977,16.672 ccw(c-172.847,16.839) -174.798,15.968 ccw(c-172.847,16.839) -173.218,14.735 ; -173.695,14.878 ccw(c-172.847,16.839) -173.218,14.735 ; v1(-151.638,16.129) cw(c-153.065,16.129) -153.065,14.702 -172.847,14.702 cw(c-172.847,16.839) -173.218,14.735
VSYS: BZ501.1 C402.2 D402.2 D517.2 Q401.2 R501.2 R505.1 U402.3 | length 262.8
  Component Side w0.5: R505.1@-242.628,26.67 -242.628,27.463 ccw(c-243.613,27.463) D517.2@-243.613,28.448 -243.613,33.96 ccw(c-246.153,33.96) -246.153,36.5 BZ501.1@-246.2,36.5 -246.2,37.96 cw(c-243.66,37.96) -243.66,40.5 -229.88,40.5 cw(c-229.881,40) -229.629,40.432 ccw(c-228.225,42.815) -226.822,40.431 cw(c-226.568,40) -226.57,40.5 v2@-36.703,40.5 ; C402.2@-31.496,46.759 -28.956,46.759 ; D402.2@-29.205,61.103 cw(c-29.205,59.903) -28.005,59.903 Q401.2@-28.005,58.989 ccw(c-28.005,58.043) -28.951,58.043 -28.951,57.449 cw(c-29.451,57.451) -28.953,57.406 ccw(c-28.505,57.364) -28.955,57.364 -28.955,56.814 ccw(c-28.505,56.814) -28.953,56.772 cw(c-29.451,56.727) -28.951,56.729 -28.951,54.737 -28.956,54.737 -28.956,49.128 ; v2(-28.956,46.109) -28.956,46.759 ; U402.3@-28.956,47.309 -28.956,46.759 ; U402.3@-28.956,47.787 -28.956,49.128 ; R501.2@-22.373,46.915 ccw(c-24.586,46.915) -24.586,49.128 -28.956,49.128
  Bottom Layer w0.5: v2(-36.703,40.513) -31.496,40.513 ccw(c-31.496,43.053) -28.956,43.053 v2(-28.956,46.109)
pads on no net: CON304.0 CON304.6 D302.3 D302.4 D501. FID1.0 FID2.0 FID3.0 FID4.0 S201. S202. S203. S204. S205. S206. S207. S208. S209. S210. S211. S212. S213. S215. S216. S217. S218. S219. S220. S221. S222. S223. S224. S225. S226. S227. S228. S229. S230. S231. S232. S233. S234. S235. S236. S237. S238. S239. S240. S241. S243. S244. S245. S246. S247. S248. S249. S250. S251. S252. S253. S254. S255. S256. S257. S258. S259. S260. S261. S262. S264. S265. S266. S267. SW301. SW301.3

## Polygon pours and split planes (outlines as drawn)
GND on Component Side "Component Side-No Net" (solid, remove dead copper, pour order 8): -0.635,93.995 -0.635,0.65 -284.48,0.65 -284.48,93.995
GND on Bottom Layer "Component Side-No Net" (solid, remove dead copper, pour order 4): -0.635,93.995 -0.635,0.65 -284.48,0.65 -284.48,93.995

## Other copper
Component Side:
  pour cut-out: -189.992,-1.016 -189.992,2.413 cw(c-188.722,2.413) -188.722,3.683 -119.634,3.683 cw(c-119.634,2.413) -118.364,2.413 -118.364,-1.016
Bottom Layer:
  pour cut-out: -189.992,-1.016 -189.992,2.413 cw(c-188.722,2.413) -188.722,3.683 -119.634,3.683 cw(c-119.634,2.413) -118.364,2.413 -118.364,-1.016

## Silkscreen, mask and mechanical layers (free items; w line width, h text height)
Top Overlay:
  drawing of 16 lines, arcs and shapes, not listed
  text "3.7v LiPo / Check polarity" at -70.267,64.133 h0.75
  text "+" at -67.435,61.027 h1.54 r270
  text "Blink: No/faulty battery / OFF: Battery charged / ON:  Charging" at -19.48,56.668 h0.75
  text "-" at -67.194,55.372 h1.54
  text "ON | OFF" at -39.227,53.467 h0.75
  text "+" at -244.3,35.814 h1
  text "-" at -236.934,35.687 h1
  text "DIO" at -189.866,19.954 h0.75 r270
  text "CLK" at -187.453,19.954 h0.75 r270
  text "RST" at -184.913,19.954 h0.75 r270
  text "GND" at -182.373,19.954 h0.75 r270
  text "JLCJLCJLCJLC" at -159.893,18.034 h1.2 r270
  text "3V3" at -191.771,17.922 h0.75 r90
  text "Unextended ISO / Pre-release V1" at -100.774,2.667 h0.75
outline:
  drawing of 664 lines, arcs and shapes, not listed
Mechanical 9:
  lines w0.2: -189.992,2.413 -189.992,-1.016 -188.722,-1.016
  lines w0.203: -189.992,2.413 cw(c-188.722,2.413) -188.722,3.683 -119.634,3.683 cw(c-119.634,2.413) -118.364,2.413 -118.364,-1.016 -188.722,-1.016
Mehanical 16:
  lines w0.1: -7.177,94.415 cw(c-10.327,95.149) -13.477,94.415 -34.575,94.415 cw(c-37.724,95.149) -40.874,94.415 -95.95,94.415 cw(c-99.1,95.149) -102.25,94.415 -125.061,94.415 cw(c-128.211,95.149) -131.361,94.415 -182.75,94.415 cw(c-185.9,95.149) -189.05,94.415 -244.125,94.415 cw(c-247.274,95.149) -250.424,94.415 -269.55,94.415 cw(c-272.7,95.149) -275.85,94.415 -282.85,94.415 ccw(c-282.85,92.415) -284.85,92.415 -284.85,39.065 -284.85,2.215 ccw(c-282.85,2.215) -282.85,0.215 -275.85,0.215 cw(c-272.7,-0.52) -269.55,0.215 -236.137,0.215 cw(c-232.987,-0.52) -229.838,0.215 -189.05,0.215 cw(c-185.9,-0.52) -182.75,0.215 -102.25,0.215 cw(c-99.1,-0.52) -95.95,0.215 -55.161,0.215 cw(c-52.011,-0.52) -48.861,0.215 -15.45,0.215 cw(c-12.3,-0.52) -9.15,0.215 -2.15,0.215 ccw(c-2.15,2.215) -0.15,2.215 -0.15,92.415 ccw(c-2.15,92.415) -2.15,94.415 -7.15,94.415

## Dimensions
-0.15,92.415 to -284.85,92.415 on top dimensions
-9.15,0.215 to -7.177,94.415 on top dimensions
-0.15,92.415 to -284.85,92.415 on bot dimensions
-9.15,0.215 to -2.15,94.415 on bot dimensions